# KiCad board radioboard_dev.kicad_pcb
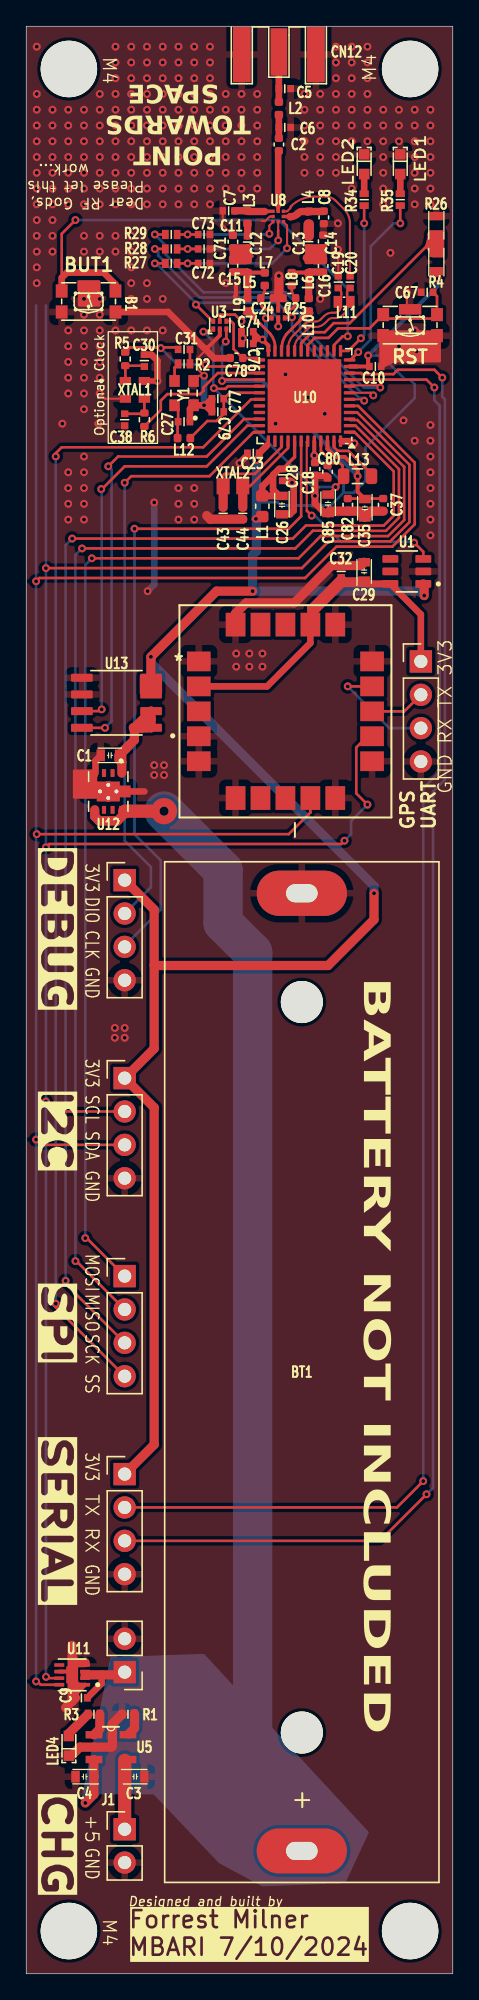
[diagram p0: board, top side]
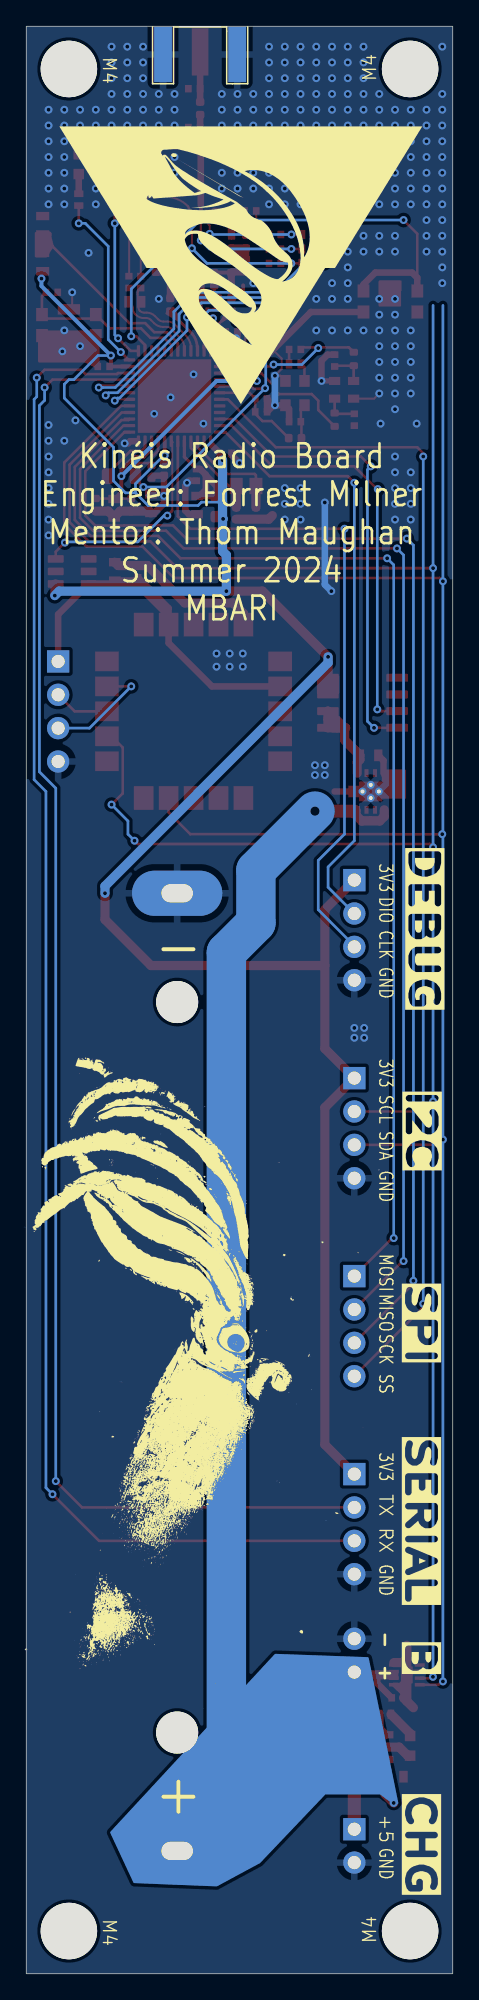
[diagram p1: board, bottom side, seen from below]

Outline 32.5 x 148.25 mm; copper layers: Top, In1.Cu, In2.Cu, Bottom. Coordinates in mm from the lower left corner of the outline.
Outline path: rectangle 0,148.25 32.5,0
Stack: Top 0.035mm / dielectric 0.1mm FR4 er 4.5 / In1.Cu 0.035mm / dielectric 1.24mm FR4 er 4.5 / In2.Cu 0.035mm / dielectric 0.1mm FR4 er 4.5 / Bottom 0.035mm

## Placement (name value [footprint] x y rotation side)
B1  ~  [SWI_C&K_Y78B23110FP__ITT_KMR231GLFS]  4.75 127.3 0 top
B4  ~  [SWI_C&K_Y78B23110FP__ITT_KMR231GLFS]  29.25 125.5 0 top
BT1  BH-18650-PC  [BAT_BH-18650-PC]  21 45.8 270 top
C1  4.7uF  [C0603]  6.38 92.75 0 top
C2  68pF  [C_0402_1005Metric]  19.25 139.25 270 top
C3  4.7uF  [C0603]  8.3 15 180 top
C4  4.7uF  [C0603]  4.45 15 0 top
C5  6.8pF  [C0402]  19.7 143.5 180 top
C6  6.8pF  [C0402]  19.7 140.55 180 top
C7  5.6pF  [C0402]  15.42 134.2 0 top
C8  5.6pF  [C_0402_1005Metric]  22.67 133.7 90 top
C9  100nF  [C0402]  4.2 21 180 top
C10  100nF  [C0402]  26.6 122.35 0 top
C11  15pF  [C_0402_1005Metric]  15.75 131.85 270 top
C12  68pF  [C0402]  16.85 131.82 90 top
C13  68pF  [C0402]  21.52 131.85 90 top
C14  15pF  [C_0402_1005Metric]  22.62 131.88 270 top
C15  4.3pF  [C_0402_1005Metric]  15.75 130.03 90 top
C16  3.6pF  [C_0402_1005Metric]  22.62 130 90 top
C18  100nF  [C_0402_1005Metric]  22 114.55 270 top
C19  4.7pF  [C0402]  23.77 128.78 270 top
C20  3.6pF  [C0402]  24.67 128.78 90 top
C23  100nF  [C0402]  17.3 115.75 180 top
C24  68pF  [C_0402_1005Metric]  18.35 127.55 0 top
C25  68pF  [C_0402_1005Metric]  20.05 127.55 180 top
C26  4.7uF  [C0603]  19.48 111.8 90 top
C27  220nF  [C0402]  12.02 118.15 180 top
C28  100nF  [C0402]  19.53 114.1 90 top
C29  4.7uF  [C0603]  25.75 106.75 270 top
C30  6.8pF  [C0402]  9 122.8 270 top  (not fitted)
C31  10pF  [C0402]  12.02 123.65 180 top
C32  100nF  [C0402]  24 106.75 90 top
C35  4.7uF  [C0603]  25.8 111.56 90 top
C37  100nF  [C_0402_1005Metric]  27.2 111.82 270 top
C38  6.8pF  [C0402]  7.5 118.3 90 top  (not fitted)
C43  5.1pF  [C0402]  15 111.18 270 top
C44  5.1pF  [C0402]  16.5 111.17 270 top
C67  100nF  [C0402]  30.55 128 0 top
C71  1nF  [C0402]  13.55 131.3 180 top
C72  1nF  [C0402]  13.55 130.2 180 top
C73  1nF  [C0402]  13.55 132.4 180 top
C74  47nF  [C0402]  16.85 125 0 top
C76  68pF  [C0402]  16.85 124.1 0 top
C77  100nF  [C0402]  14.6 118.9 180 top
C78  68pF  [C_0402_1005Metric]  16.02 123 0 top
C79  47pF  [C0402]  14.6 119.9 0 top
C80  68pF  [C_0402_1005Metric]  22.96 114.34 270 top
C82  68pF  [C_0402_1005Metric]  24.5 111.82 90 top
C85  470nF  [C0603]  23 111.9 90 top
CN12  ~  [CON_SAMTEC_SMA-J-P-X-ST-EM1]  19.25 148.2 180 top
G***  -  [LOGO]  21.02 42.82 110 bottom
J1  Conn_01x02  [PinHeader_1x02_P2.54mm_Vertical]  7.5 11 0 top
J2  Conn_01x02  [PinHeader_1x02_P2.54mm_Vertical]  7.5 22.96 180 top
J3  Conn_01x04  [PinHeader_1x04_P2.54mm_Vertical]  30.07 99.9 0 top
J4  Conn_01x04  [PinHeader_1x04_P2.54mm_Vertical]  7.5 38.03 0 top
J5  Conn_01x04  [PinHeader_1x04_P2.54mm_Vertical]  7.5 53.11 0 top
J6  Conn_01x04  [PinHeader_1x04_P2.54mm_Vertical]  7.5 83.25 0 top
J9  Conn_01x04  [PinHeader_1x04_P2.54mm_Vertical]  7.5 68.18 0 top
L1  ~  [L_0603_1608Metric]  17.98 111.71 90 top
L2  16nH  [L_0402_1005Metric]  19.25 142 270 top
L3  16nH  [L_0402_1005Metric]  16.85 133.72 90 top
L4  18nH  [L_0402_1005Metric]  21.55 133.68 90 top
L5  6.8nH  [L_0402_1005Metric]  16.88 129.97 90 top
L6  8.2nH  [L_0402_1005Metric]  21.52 129.95 90 top
L7  56nH  [L_0402_1005Metric]  18.17 129 90 top
L8  68nH  [L_0402_1005Metric]  20.23 129 90 top
L9  0R  [L_0402_1005Metric]  16.85 127.05 90 top
L10  0R  [L_0402_1005Metric]  21.52 127.05 90 top
L11  33nH  [IND_0402_MURATA_LQW15AN_H0P5]  24.23 127.28 0 top
L12  ~  [L_0402_1005Metric]  12.02 116.9 0 top
L13  15µH  [L_0805_2012Metric]  25.24 114 0 top
LED1  ~  [LED_0603_OSRAM_LG-Q396-PS-35_GREEN_1A2K_H0P4]  28.5 137.75 90 top
LED2  ~  [LED_0603_VISHAY_VLMS1300-GS08_RED_1A2K_H0P8]  25.75 137.75 90 top
LED4  ~  [LED_0603_OSRAM_LG-Q396-PS-35_GREEN_1A2K_H0P4]  3.25 17.35 270 top
R1  2k  [R0402]  7.75 19.75 180 top
R2  220R  [R0402]  12.02 122.55 0 top
R3  270R  [R0402]  5.16 19.75 180 top
R4  10k  [R0603]  31.25 130.3 90 top  (not fitted)
R5  0  [R_0402_1005Metric]  7.54 122.92 90 top  (not fitted)
R6  0  [R_0402_1005Metric]  9 118.3 90 top  (not fitted)
R26  10k  [R0603]  31.25 133.1 270 top
R27  220R  [R0402]  11.05 130.2 180 top
R28  220R  [R0402]  11.05 131.3 180 top
R29  220R  [R0402]  11.05 132.4 0 top
R34  360R  [R0402]  25.75 135.05 90 top
R35  270R  [R0402]  28.5 135.05 90 top
REF**  -  [MountingHole]  3.25 145 270 top
REF**#2  -  [MountingHole]  29.25 145 90 top
REF**#3  -  [MountingHole]  3.25 3.25 270 top
REF**#4  -  [MountingHole]  29.25 3.25 90 top
U1  TPS22917DBVR  [SOT95P280X145-6N]  29 106.75 180 top
U2  SAM-M10Q-00B  [SAM-M10Q_UBL]  19.75 96.1 0 top
U3  ~  [ICC_SOT886_XSON6]  14.75 125.5 0 top
U4  ~  [ICC_SOT886_XSON6]  19.2 126.35 180 top
U5  MCP73831T-2ACI_OT  [SOT95P280X145-5N]  6.45 17.25 0 top
U8  BGS13SN8E6327XTSA1  [TSNP-8-1_INF]  19.2 133.77 90 top
U10  STM32WL55CCUx  [QFN-48-1EP_7x7mm_P0.5mm_EP5.6x5.6mm]  21.2 120.1 180 top
U11  MAX17048G_T10  [SON50P200X200X80-9N]  3.5 22.75 180 top
U12  TPS73733QDRBRQ1  [IC_DRV8601DRBT]  6.25 90 270 top
U13  ACS722LLCTR-05AB-T  [SOIC127P600X175-8N]  6.88 96.75 180 top
XTAL1  NX2016SA-32M-EXS00A-CS06465  [NX2016SA_NDK]  8.28 120.58 0 top  (not fitted)
XTAL2  NX2012SA-32.768K-STD-MUB-1  [XTAL_NX2012SA_NDK]  15.75 113.25 180 top
Y1  ECS-TXO-25CSMV-320-DY-TR  [OSC_ECS-TXO-25CSMV-320-DY-TR]  12.02 120.33 90 top

## Library data of the parts
B1 B4 = -: Datasheet: https://www.digikey.com/en/products/detail/c-k/kmr231glfs/550477; Description: Microminiature Tact Switch for SMT - KMR 2 Series - 1.9 mm height; ki_fp_filters: *SWI_C&K_Y78B23110FP__ITT_KMR231GLFS*
BT1 = -: Datasheet: https://www.digikey.com/en/products/detail/mpd-memory-protection-devices/BH-18650-PC/3029216
C1 C3 C4 C26 C29 C35 = -: Datasheet: https://www.digikey.com/en/products/detail/yageo/cc0603krx5r7bb475/5195193; Description: Capacitor, MLCC, 4.7uF, 16V, X5R, 10%, 0603, T=0.8mm; INTERNAL_PART_NUMBER: MCD-00009; MANUFACTURER: YAGEO; COMPONENTLINK1DESCRIPTION: Datasheet; PROVIDED_BY: SUBCO; STATUS: Released; PART_TYPE: Capacitor; PACKAGE: C0603; COMPONENTLINK1URL: http://tunmcdsvn.tun.st.com/Component_Datasheet_Library/Trunk/Capacitors/Yageo_Multilayer_capacitor_X5R_series_100pF_to_100uF; ECCN_US: EAR99; ECCN_EU: NEC; ki_fp_filters: *C0402*
C2 C24 C25 C78 C80 C82 = -: Datasheet: https://www.digikey.com/en/products/detail/yageo/CC0402JRNPO9BN680/2103078; Description: CC0402JRNPO9BN680; ki_fp_filters: *C0402*
C5 C6 = -: Datasheet: https://www.digikey.com/en/products/detail/yageo/cc0402brnpo9bn6r8/5195035; Description: CC0402BRNPO9BN6R8; ki_fp_filters: *C0402*
C7 C8 = -: Datasheet: https://www.digikey.com/en/products/detail/yageo/cc0402brnpo9bn5r6/5195034; Description: Capacitor, MLCC, 5.6pF, 50V, NPO, +/- 0.1pF, 0402, T=0,5mm; ki_fp_filters: *C0402*
C9 C10 C18 C23 C28 C32 C67 = -: Datasheet: https://www.digikey.com/en/products/detail/yageo/cc0402krx7r7bb104/2103076; Description: Capacitor, MLCC, 100nF, 16V, X7R, 10%, 0402, T=0,5mm; INTERNAL_PART_NUMBER: MCD-00102; STATUS: Released; MANUFACTURER: YAGEO; PACKAGE: C0402; COMPONENTLINK1DESCRIPTION: Datasheet; PROVIDED_BY: SUBCO; PART_TYPE: Capacitor; COMPONENTLINK1URL: http://tunmcdsvn.tun.st.com/Component_Datasheet_Library/Trunk/Capacitors/Yageo_Multilayer_Capacitor_X7R_series_100pF_to_22uF; ALTERNATE_MANUFACTURER_PART_NUMBER: GCM155R71C104KA55D; ALTERNATE_MANUFACTURER: MURATA; ECCN_US: EAR99; ECCN_EU: NEC; ki_fp_filters: *C0402*
C11 C14 = -: Datasheet: https://www.digikey.com/en/products/detail/yageo/cc0402grnpo9bn150/5195058; Description: CC0402GRNPO9BN150; ki_fp_filters: *C0402*
C12 = -: Datasheet: https://www.digikey.com/en/products/detail/yageo/CC0402JRNPO9BN680/2103078; Description: Capacitor, MLCC, 68pF, 50V, NPO, +/-5%, 0402, T=0,5mm; INTERNAL_PART_NUMBER: MCD-01604; STATUS: Released; PART_PREFERENCE: Recommended; PART_TYPE: Capacitor; MANUFACTURER: YAGEO; PACKAGE: C0402; COMPONENTLINK1DESCRIPTION: Datasheet; COMPONENTLINK1URL: http://tunmcdsvn.tun.st.com/Component_Datasheet_Library/Trunk/Capacitors/Yageo_Capacitor_NP0_16V-to-50V; ORDER_CODE_DIGIKEY: 311-1340-1-ND; ORDER_CODE_FARNELL: 3019214; ORDER_CODE_RS: N/A; ki_fp_filters: *C0402*
C13 = -: Datasheet: https://www.digikey.com/en/products/detail/yageo/CC0402JRNPO9BN680/2103078; Description: Capacitor, MLCC, 68pF, 50V, NPO, +/-5%, 0402, T=0,5mm; INTERNAL_PART_NUMBER: MCD-01604; STATUS: Released; PART_TYPE: Capacitor; MANUFACTURER: YAGEO; PACKAGE: C0402; COMPONENTLINK1DESCRIPTION: Datasheet; COMPONENTLINK1URL: http://tunmcdsvn.tun.st.com/Component_Datasheet_Library/Trunk/Capacitors/Yageo_Capacitor_NP0_16V-to-50V; PART_PREFERENCE: Recommended; ORDER_CODE_DIGIKEY: 311-1340-1-ND; ORDER_CODE_FARNELL: 3019214; ORDER_CODE_RS: N/A; ki_fp_filters: *C0402*
C15 = -: Datasheet: https://www.digikey.com/en/products/detail/yageo/cc0402brnpo9bn4r3/5195032; Description: CC0402BRNPO9BN4R3; ki_fp_filters: *C0402*
C16 = -: Datasheet: https://www.digikey.com/en/products/detail/yageo/CC0402BRNPO9BN3R6/5883190; Description: CC0402BRNPO9BN3R6; ki_fp_filters: *C0402*
C19 = -: Datasheet: https://www.digikey.com/en/products/detail/yageo/cc0402brnpo9bn4r7/5195033; Description: CC0402BRNPO9BN4R7; ki_fp_filters: *C0402*
C20 = -: Datasheet: https://www.digikey.com/en/products/detail/yageo/CC0402BRNPO9BN3R6/5883190; Description: Capacitor, MLCC, 3.6pF, 50V, NPO, +/-0.1pF, 0402, T=0,5mm; ki_fp_filters: *C0402*
C27 = -: Datasheet: https://www.digikey.com/en/products/detail/tdk-corporation/c1005x7r1c224k050be/5809203; Description: Capacitor, MLCC, 220nF, 16V, X7R, +/-10%, ,0402, T=0,5mm; ki_fp_filters: *C0402*
C30 C38 = -: Datasheet: https://www.digikey.com/en/products/detail/yageo/cc0402crnpo9bn6r8/2345080; Description: Capacitor, MLCC, 6.8pF, 50V, NPO, +-0.25pF, 0402, T=0.5mm; INTERNAL_PART_NUMBER: MCD-00674; STATUS: Released; PART_TYPE: Capacitor; MANUFACTURER: YAGEO; PACKAGE: C0402; COMPONENTLINK1DESCRIPTION: Datasheet; COMPONENTLINK1URL: http://tunmcdsvn.tun.st.com/Component_Datasheet_Library/Trunk/Capacitors/Yageo_Capacitor_NP0_16V-to-50V; PROVIDED_BY: SUBCO; ECCN_US: N/A; ECCN_EU: N/A; ki_fp_filters: *C0402*
C31 = -: Datasheet: https://www.digikey.com/en/products/detail/yageo/cc0402jrnpo9bn100/302748; Description: Capacitor, MLCC, 10pF, 50V, NPO, +/-5%, 0402, T=0,5mm; ki_fp_filters: *C0402*
C37 C77 = -: Datasheet: https://www.digikey.com/en/products/detail/yageo/cc0402krx7r7bb104/2103076; Description: Capacitor, MLCC, 100nF, 16V, X7R, 10%, 0402, T=0,5mm; ki_fp_filters: *C0402*
C43 C44 = -: Datasheet: https://www.digikey.com/en/products/detail/yageo/cc0402crnpo9bn5r1/5195042; Description: Capacitor, MLCC, 5.1pF, 50V, NPO, +-0.25pF, 0402, T=0.5mm; ki_fp_filters: *C0402*
C71-C73 = -: Datasheet: https://www.digikey.com/en/products/detail/yageo/cc0402krx7r7bb102/2103090; Description: Capacitor, MLCC, 1nF, 16V, X7R, 10%, 0402, T=0.5mm; ki_fp_filters: *C0402*
C74 = -: Datasheet: https://www.digikey.com/en/products/detail/yageo/CC0402KRX7R8BB473/5195126; Description: Capacitor, MLCC, 47nF, 25V, X7R, +-10%, 0402, T=0,5mm; ki_fp_filters: *C0402*
C76 = -: Datasheet: https://www.digikey.com/en/products/detail/yageo/CC0402JRNPO9BN680/2103078; Description: Capacitor, MLCC, 68pF, 50V, NPO, +-5%, 0402, T=0,5mm; ki_fp_filters: *C0402*
C79 = -: Datasheet: https://www.digikey.com/en/products/detail/yageo/cc0402jrnpo9bn470/302755; Description: Capacitor, MLCC, 47pF, 50V, NPO, +-5%, 0402, T=0,5mm; ki_fp_filters: *C0402*
C85 = -: Datasheet: https://www.digikey.com/en/products/detail/yageo/cc0603krx7r7bb474/2833593; Description: Capacitor, MLCC, 470nF, 16V, X7R, 10%, 0603, T=0.8mm; ki_fp_filters: *C0402*
CN12 = -: Datasheet: https://www.digikey.com/en/products/detail/samtec-inc/sma-j-p-h-st-em1/2602450; Description: RF SMA connector PCB edge; ki_fp_filters: *CON_SAMTEC_SMA-J-P-X-ST-EM1*
J1 J2 = -: Description: Generic connector, single row, 01x02, script generated (kicad-library-utils/schlib/autogen/connector/); ki_fp_filters: Connector*:*_1x??_*
J3-J6 J9 = -: Description: Generic connector, single row, 01x04, script generated (kicad-library-utils/schlib/autogen/connector/); ki_fp_filters: Connector*:*_1x??_*
L1 = -: Datasheet: https://www.digikey.com/en/products/detail/tai-tech-advanced-electronics-co-ltd/FCM-1608KF-601T03/17835681; Description: FCM 1608KF-601T03; INTERNAL_PART_NUMBER: MCD-00047; STATUS: Released; PART_TYPE: Inductor; MANUFACTURER: TAI-TECH; COMPONENTLINK1DESCRIPTION: Datasheet; COMPONENTLINK1URL: http://tunmcdsvn.tun.st.com/Component_Datasheet_Library/Trunk/Inductors/TaiTech_Bead_FCM1608_series; PROVIDED_BY: SUBCO; ECCN_US: n/a; ECCN_EU: n/a; ki_fp_filters: *L0603*
L2 L3 = -: Datasheet: https://www.digikey.com/en/products/detail/murata-electronics/lqw15an16ng00d/2594857; Description: LQW15AN16NG00D; ki_fp_filters: *IND_0402_MURATA_LQW15AN_H0P5*
L4 = -: Datasheet: https://www.digikey.com/en/products/detail/murata-electronics/LQW15AN18NG00D/2594860; Description: LQW15AN18NG00D; ki_fp_filters: *IND_0402_MURATA_LQW15AN_H0P5*
L5 = -: Datasheet: https://www.digikey.com/en/products/detail/murata-electronics/LQW15AN6N8G00D/2594949; Description: LQW15AN6N8G00D; ki_fp_filters: *IND_0402_MURATA_LQW15AN_H0P5*
L6 = -: Datasheet: https://www.digikey.com/en/products/detail/murata-electronics/lqw15an8n2g00d/2594961; Description: LQW15AN8N2G00D; ki_fp_filters: *IND_0402_MURATA_LQW15AN_H0P5*
L7 = -: Datasheet: https://www.digikey.com/en/products/detail/murata-electronics/lqw15an56ng00d/2594932; Description: LQW15AN56NG00D; ki_fp_filters: *IND_0402_MURATA_LQW15AN_H0P5*
L8 = -: Datasheet: https://www.digikey.com/en/products/detail/murata-electronics/lqw15an68ng00d/2594946; Description: LQW15AN68NG00D; ki_fp_filters: *IND_0402_MURATA_LQW15AN_H0P5*
L9 L10 = -: Datasheet: https://www.digikey.com/en/products/detail/yageo/rc0402jr-070rl/726406; Description: RC0402JR-070RL SHUNT; ki_fp_filters: *IND_0402_MURATA_LQW15AN_H0P5*
L11 = -: Datasheet: https://www.digikey.com/en/products/detail/murata-electronics/LQW15AN33NG00D/2594897; Description: LQW15AN33NG00; ki_fp_filters: *IND_0402_MURATA_LQW15AN_H0P5*
L12 = -: Datasheet: https://www.digikey.com/en/products/detail/murata-electronics/BLM15HG102SN1D/1016158; Description: ferrite bead, 1400ohms at 1GHz, 250mA, 1.1ohms DC max; ki_fp_filters: *IND_0402_MURATA_LQW15AN_H0P5*
L13 = -: Datasheet: https://www.digikey.com/en/products/detail/tdk-corporation/mlz2012m150wt000/2465154; Description: MLZ2012M150WT000; ki_fp_filters: *IND_0402_MURATA_LQW15AN_H0P5*
LED1 LED4 = -: Datasheet: https://www.digikey.com/en/products/detail/ams-osram-usa-inc/lg-q396-ps-35-0-20-r18/17629093; Description: LED Green, 0603 SMD, Forward Voltage Typ=2V, Max=2.5V; ki_fp_filters: *LED_0603_OSRAM_LG-Q396-PS-35_GREEN_1A2K_H0P4*
LED2 = -: Datasheet: https://www.digikey.com/en/products/detail/vishay-semiconductor-opto-division/vlms1300-gs08/2813354; Description: LED Red, 0603 SMD, 2V Forward Voltage; ki_fp_filters: *LED_0603_VISHAY_VLMS1300-GS08_RED_1A2K_H0P8*
R1 = -: Datasheet: https://www.digikey.com/en/products/detail/yageo/RC0402FR-072KL/2827565; Description: Resistor,2kR,0402,1%,1/16W; ki_fp_filters: *R0402*
R2 R27-R29 = -: Datasheet: https://www.digikey.com/en/products/detail/yageo/rc0402fr-07220rl/726565; Description: Resistor,220R,0402,1%,1/16W; ki_fp_filters: *R0402*
R3 R35 = -: Datasheet: https://www.digikey.com/en/products/detail/yageo/rc0402fr-07270rl/2827584; Description: Resistor,270R,0402,1%,1/16W; ki_fp_filters: *R0402*
R4 R26 = -: Datasheet: https://www.digikey.com/en/products/detail/yageo/rc0603fr-0710kl/726880; Description: Resistor,10K,0603,1%,1/10W; ki_fp_filters: *R0603*
R5 R6 = -: Description: Resistor, US symbol; ki_fp_filters: R_*
R34 = -: Datasheet: https://www.digikey.com/en/products/detail/yageo/rc0402fr-07360rl/5280992; Description: Resistor,360R,0402,1%,1/16W; ki_fp_filters: *R0402*
U1 = -: Datasheet: https://www.digikey.com/en/products/detail/texas-instruments/TPS22917DBVR/8539916
U2 = -: Datasheet: https://www.digikey.com/en/products/detail/u-blox/SAM-M10Q-00B/16672678; ki_fp_filters: SAM-M10Q_UBL
U3 U4 = -: Datasheet: https://www.digikey.com/en/products/detail/nxp-usa-inc/NX3L1T3157GMZ/12161721; Description: DC switch - Ultra-Low 0.5ohm  SPDT analog switch; ki_fp_filters: *ICC_SOT886_XSON6*
U5 = -: Datasheet: https://www.digikey.com/en/products/detail/microchip-technology/MCP73831T-2ACI-OT/964301
U8 = -: Datasheet: https://www.digikey.com/en/products/detail/infineon-technologies/BGS13SN8E6327XTSA1/6560103; ki_fp_filters: TSNP-8-1_INF TSNP-8-1_INF-M TSNP-8-1_INF-L
U10 = -: Datasheet: https://www.digikey.com/en/products/detail/stmicroelectronics/STM32WL55CCU6/13557441; Description: STMicroelectronics Arm Cortex-M4 MCU, 256KB flash, 64KB RAM, 48 MHz, 1.8-3.6V, 29 GPIO, UFQFPN48; ki_fp_filters: QFN*1EP*7x7mm*P0.5mm*
U11 = -: Datasheet: https://www.digikey.com/en/products/detail/analog-devices-inc-maxim-integrated/MAX17048G-T10/3758921
U12 = -: Datasheet: https://www.digikey.com/en/products/detail/texas-instruments/TPS73733QDRBRQ1/2000829
U13 = -: Datasheet: https://www.digikey.com/en/products/detail/allegro-microsystems/ACS722LLCTR-05AB-T/4915375
XTAL1 = -: ki_fp_filters: NX2016SA_NDK NX2016SA_NDK-M NX2016SA_NDK-L
XTAL2 = -: Datasheet: https://www.digikey.com/en/products/detail/ndk-america-inc/STDMUB1-32-768K/4914433; ki_fp_filters: XTAL_NX2012SA_NDK
Y1 = -: Datasheet: https://www.digikey.com/en/products/detail/ecs-inc/ECS-TXO-25CSMV-320-DY-TR/10669172

## Footprints (pads in the part's own frame, mm; a bottom-side part is the same pattern mirrored in y, then rotated)
BAT_BH-18650-PC
  round 3.2 hole 3.2 unplated: (-28.17,0) (27.44,0)
  oval 3.44x6.88 hole 1.38x2.4: N(-36.45,0) P(36.45,0)
C0402
  rect 0.51x0.56 smd: 1(-0.45,0) 2(0.45,0)
C0603
  rect 0.64x0.89 smd: 1(-0.7,0) 2(0.7,0)
C_0402_1005Metric
  rrect 0.56x0.62 smd: 1(-0.48,0) 2(0.48,0)
CON_SAMTEC_SMA-J-P-X-ST-EM1
  rect 1.27x3.6 smd: 1(0,1.9)
  rect 1.35x4.2 smd: 2(-2.825,2.1) 3(2.825,2.1)
  rect 1.35x4.2 smd far side: 4(2.825,2.1) 5(-2.825,2.1)
IC_DRV8601DRBT
  rrect 0.6x0.31 smd: (-1.4,0.325) (1.4,0.325) (1.4,-0.325) 1(-1.4,0.975) 3(-1.4,-0.325) 4(-1.4,-0.975) 5(1.4,-0.975) 8(1.4,0.975)
  round 0.6 hole 0.3: (-0.5,0) (0,0.625) (0,-0.625) (0.5,0)
  custom 1.51x3.41 smd: 9(0,0)
ICC_SOT886_XSON6
  rect 0.3x0.4 smd: 1(-0.5,-0.3) 2(0,-0.3) 3(0.5,-0.3) 4(0.5,0.3) 5(0,0.3) 6(-0.5,0.3)
IND_0402_MURATA_LQW15AN_H0P5
  rect 0.65x0.9 smd: 1(-0.475,0) 2(0.475,0)
L_0402_1005Metric
  rrect 0.59x0.64 smd: 1(-0.485,0) 2(0.485,0)
L_0603_1608Metric
  rrect 0.875x0.95 smd: 1(-0.787,0) 2(0.787,0)
L_0805_2012Metric
  rrect 0.875x1.2 smd: 1(-1.062,0) 2(1.062,0)
LED_0603_OSRAM_LG-Q396-PS-35_GREEN_1A2K_H0P4
  rect 0.8x0.8 smd: 1(-0.75,0) 2(0.75,0)
LED_0603_VISHAY_VLMS1300-GS08_RED_1A2K_H0P8
  rect 0.8x0.8 smd: 1(-0.75,0) 2(0.75,0)
MountingHole
  round 4.3 hole 4.3 unplated: (0,0)
NX2016SA_NDK
  rect 0.864x0.61 smd: 1(-0.724,0.675) 2(-0.724,-0.675) 3(0.724,-0.675) 4(0.724,0.675)
OSC_ECS-TXO-25CSMV-320-DY-TR
  rect 0.9x0.8 smd: 1(-0.925,-0.725) 2(0.925,-0.725) 3(0.925,0.725) 4(-0.925,0.725)
PinHeader_1x02_P2.54mm_Vertical
  rect 1.7x1.7 hole 1: 1(0,0)
  oval 1.7x1.7 hole 1: 2(0,-2.54)
PinHeader_1x04_P2.54mm_Vertical
  rect 1.7x1.7 hole 1: 1(0,0)
  oval 1.7x1.7 hole 1: 2(0,-2.54) 3(0,-5.08) 4(0,-7.62)
QFN-48-1EP_7x7mm_P0.5mm_EP5.6x5.6mm
  rrect 1.13x1.13 smd: (-2.1,2.1) (-2.1,0.7) (-2.1,-0.7) (-2.1,-2.1) (-0.7,2.1) (-0.7,0.7) (-0.7,-0.7) (-0.7,-2.1) (0.7,2.1) (0.7,0.7) (0.7,-0.7) (0.7,-2.1) (2.1,2.1) (2.1,0.7) (2.1,-0.7) (2.1,-2.1)
  rrect 0.875x0.25 smd: 1(-3.438,2.75) 2(-3.438,2.25) 3(-3.438,1.75) 4(-3.438,1.25) 5(-3.438,0.75) 6(-3.438,0.25) 7(-3.438,-0.25) 8(-3.438,-0.75) 9(-3.438,-1.25) 10(-3.438,-1.75) 11(-3.438,-2.25) 12(-3.438,-2.75) 25(3.438,-2.75) 26(3.438,-2.25) 27(3.438,-1.75) 28(3.438,-1.25) 29(3.438,-0.75) 30(3.438,-0.25) 31(3.438,0.25) 32(3.438,0.75) 33(3.438,1.25) 34(3.438,1.75) 35(3.438,2.25) 36(3.438,2.75)
  rrect 0.25x0.875 smd: 13(-2.75,-3.438) 14(-2.25,-3.438) 15(-1.75,-3.438) 16(-1.25,-3.438) 17(-0.75,-3.438) 18(-0.25,-3.438) 19(0.25,-3.438) 20(0.75,-3.438) 21(1.25,-3.438) 22(1.75,-3.438) 23(2.25,-3.438) 24(2.75,-3.438) 37(2.75,3.438) 38(2.25,3.438) 39(1.75,3.438) 40(1.25,3.438) 41(0.75,3.438) 42(0.25,3.438) 43(-0.25,3.438) 44(-0.75,3.438) 45(-1.25,3.438) 46(-1.75,3.438) 47(-2.25,3.438) 48(-2.75,3.438)
  rect 5.6x5.6 smd: 49(0,0)
R0402
  rect 0.51x0.7 smd: 1(-0.45,0) 2(0.45,0)
R0603
  rect 0.64x1 smd: 1(-0.7,0) 2(0.7,0)
R_0402_1005Metric
  rrect 0.54x0.64 smd: 1(-0.51,0) 2(0.51,0)
SAM-M10Q_UBL
  rect 1.803x1.499 smd: 1(-6.6,3.8) 2(-6.6,1.9) 3(-6.6,0) 4(-6.6,-1.9) 5(-6.6,-3.8) 11(6.6,-3.8) 12(6.6,-1.9) 13(6.6,0) 14(6.6,1.9) 15(6.6,3.8)
  rect 1.499x1.803 smd: 6(-3.8,-6.6) 7(-1.9,-6.6) 8(0,-6.6) 9(1.9,-6.6) 10(3.8,-6.6) 16(3.8,6.6) 17(1.9,6.6) 18(0,6.6) 19(-1.9,6.6) 20(-3.8,6.6)
SOIC127P600X175-8N
  rrect 1.65x0.61 smd: 1(-2.635,1.905) 2(-2.635,0.635) 3(-2.635,-0.635) 4(-2.635,-1.905) 5(2.635,-1.905) 6(2.635,-0.635) 7(2.635,0.635) 8(2.635,1.905)
SON50P200X200X80-9N
  rrect 0.76x0.27 smd: 1(-0.985,0.75) 2(-0.985,0.25) 3(-0.985,-0.25) 4(-0.985,-0.75) 5(0.985,-0.75) 6(0.985,-0.25) 7(0.985,0.25) 8(0.985,0.75)
  rect 0.9x1.3 smd: 9(0,0)
SOT95P280X145-5N
  rect 1.27x0.559 smd: 1(-1.295,0.94) 2(-1.295,0) 3(-1.295,-0.94) 4(1.295,-0.94) 5(1.295,0.94)
SOT95P280X145-6N
  rrect 1.21x0.58 smd: 1(-1.255,0.95) 2(-1.255,0) 3(-1.255,-0.95) 4(1.255,-0.95) 5(1.255,0) 6(1.255,0.95)
SWI_C&K_Y78B23110FP__ITT_KMR231GLFS
  rect 0.9x1 smd: 1(2.05,0.8) 2(2.05,-0.8) 3(-2.05,0.8) 4(-2.05,-0.8)
  rect 1.7x0.8 smd: 5(0,1.2)
TSNP-8-1_INF
  rect 0.254x0.254 smd: 1(-0.394,0.4) 2(-0.394,0) 3(-0.394,-0.4) 4(0,-0.394) 5(0.394,-0.4) 6(0.394,0) 7(0.394,0.4) 8(0,0.394)
XTAL_NX2012SA_NDK
  rect 0.991x1.245 smd: 1(-0.749,0) 2(0.749,0)
